# Altium PCB ldo-1.PcbDoc
Units mm, origin at the board's own origin, x right, y up, seen from the top; angles counter-clockwise.
Board outline 180 x 125 mm, 2 copper layers (Top Layer, Bottom Layer), stack 1.87 mm thick; 191 components, 89 nets, 453 pads, 0 vias.
Unrouted connection lines stored in the file: 362.
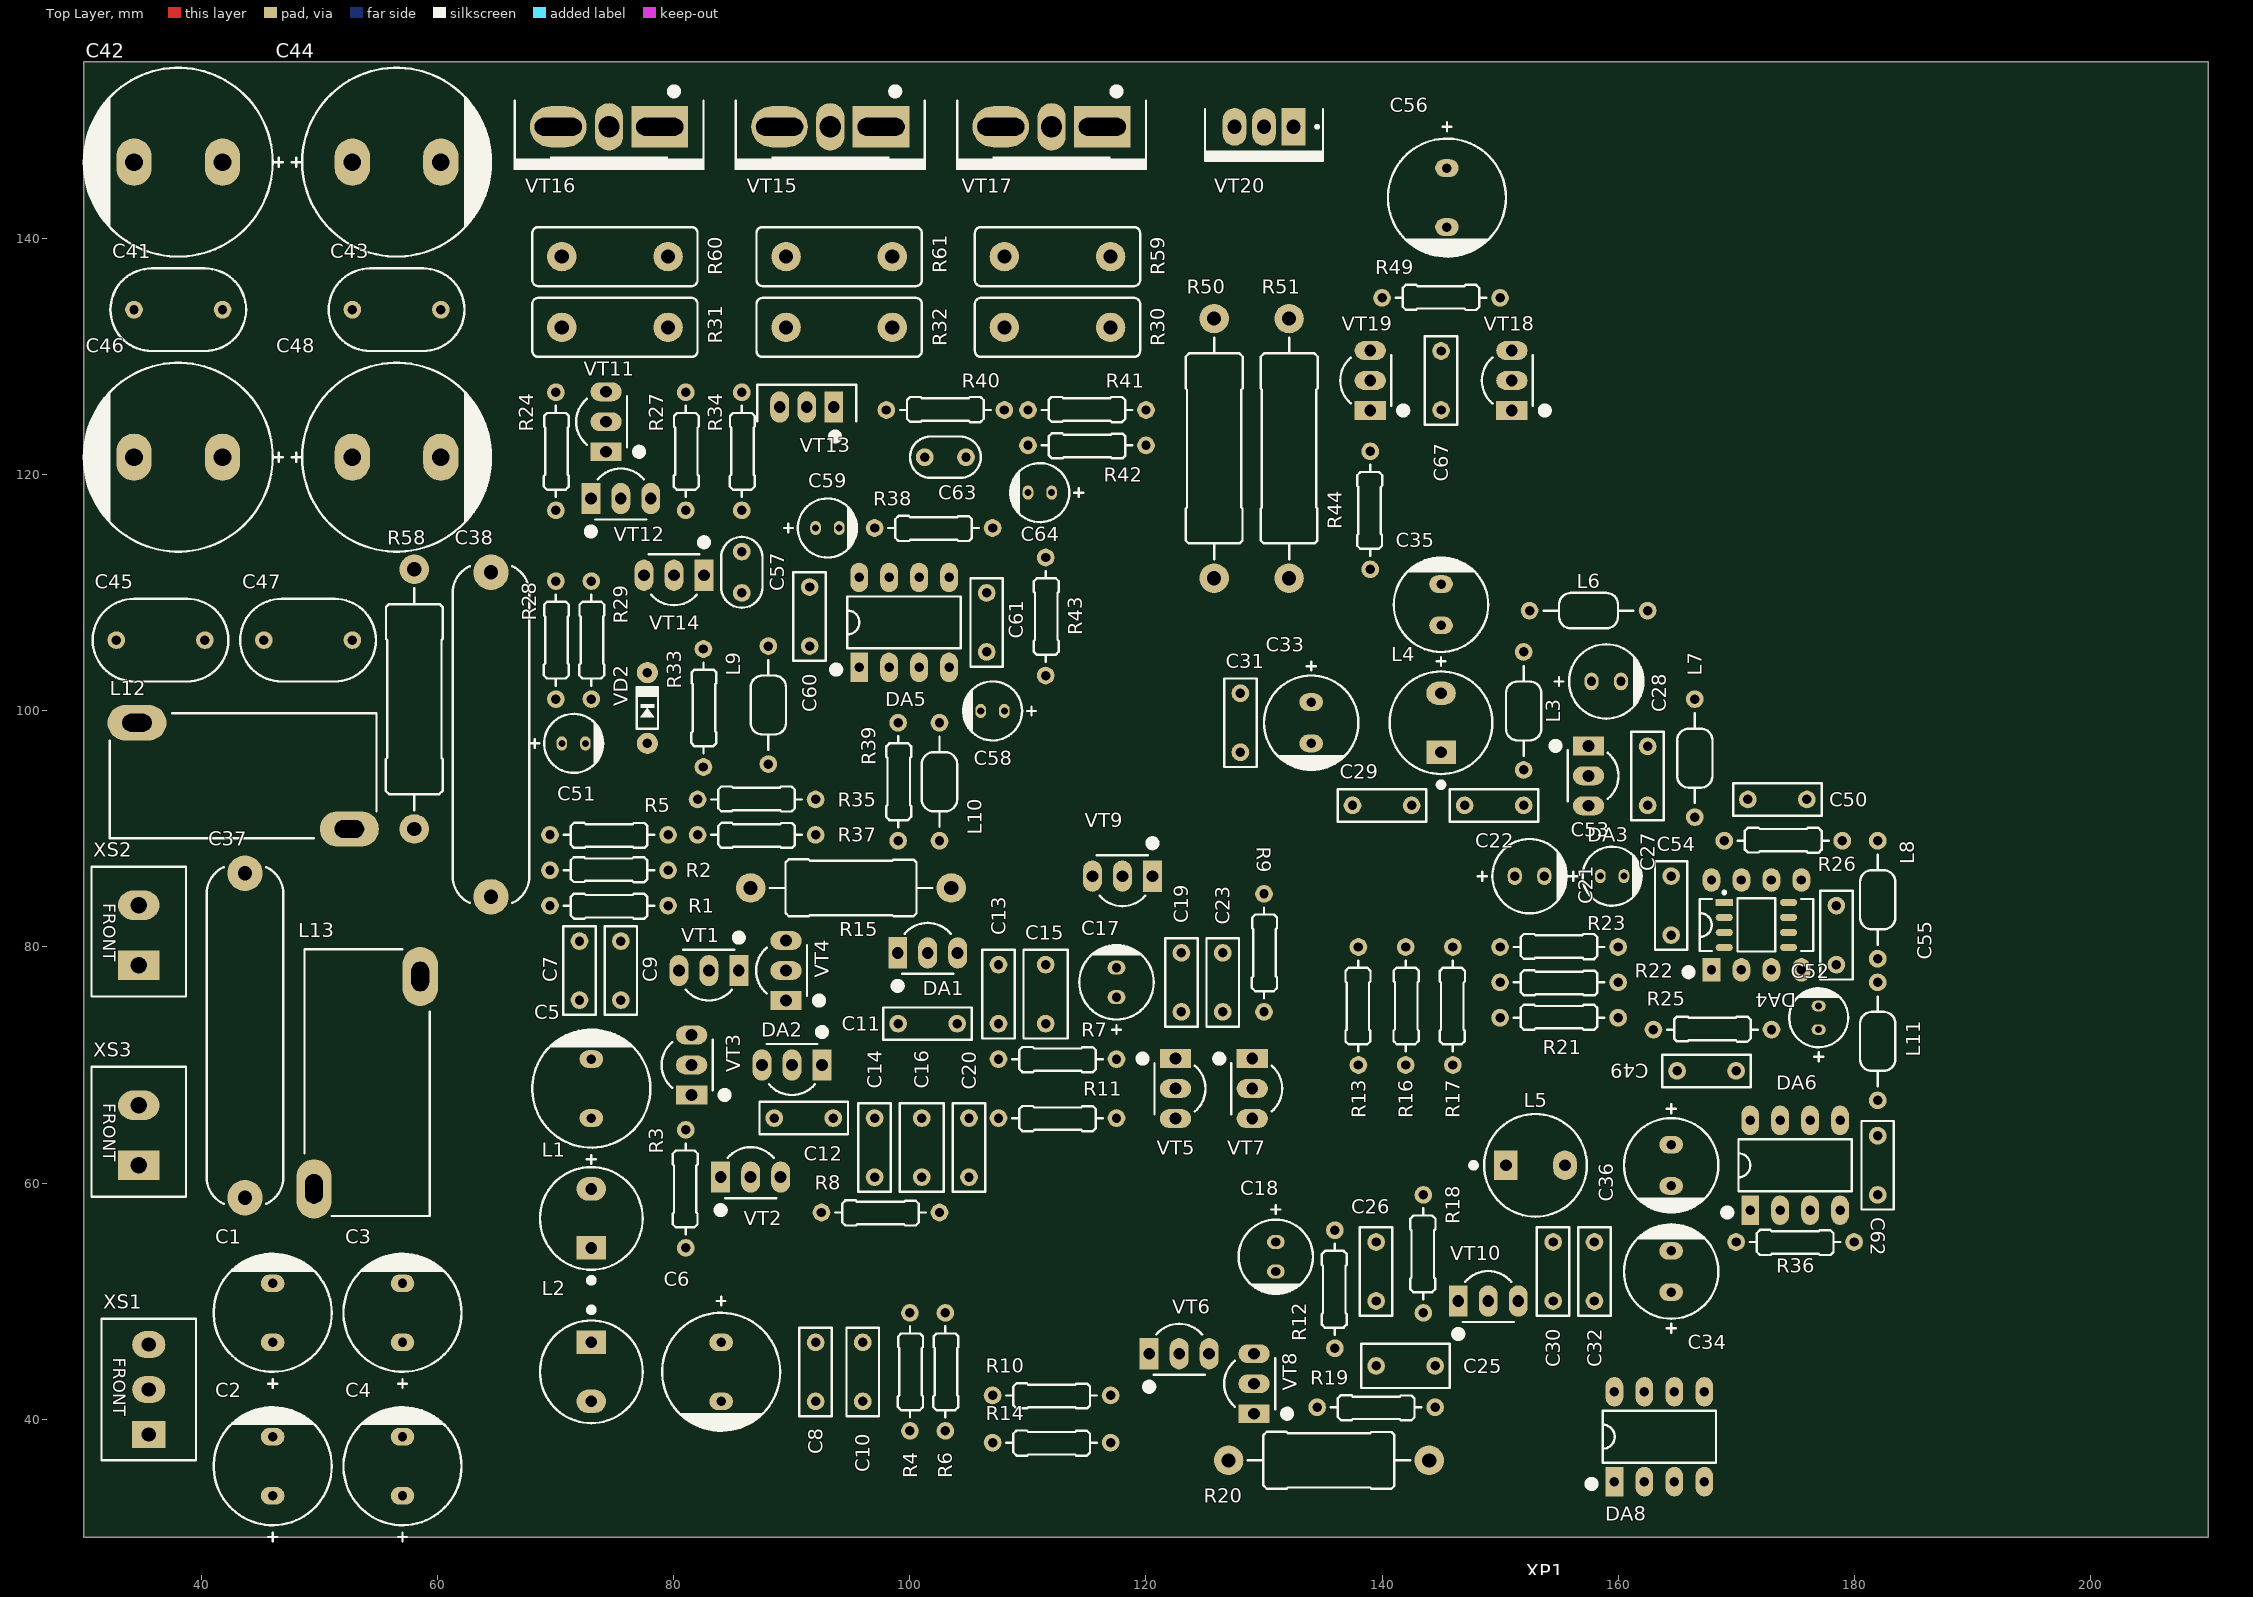
[diagram p0: Top Layer view]
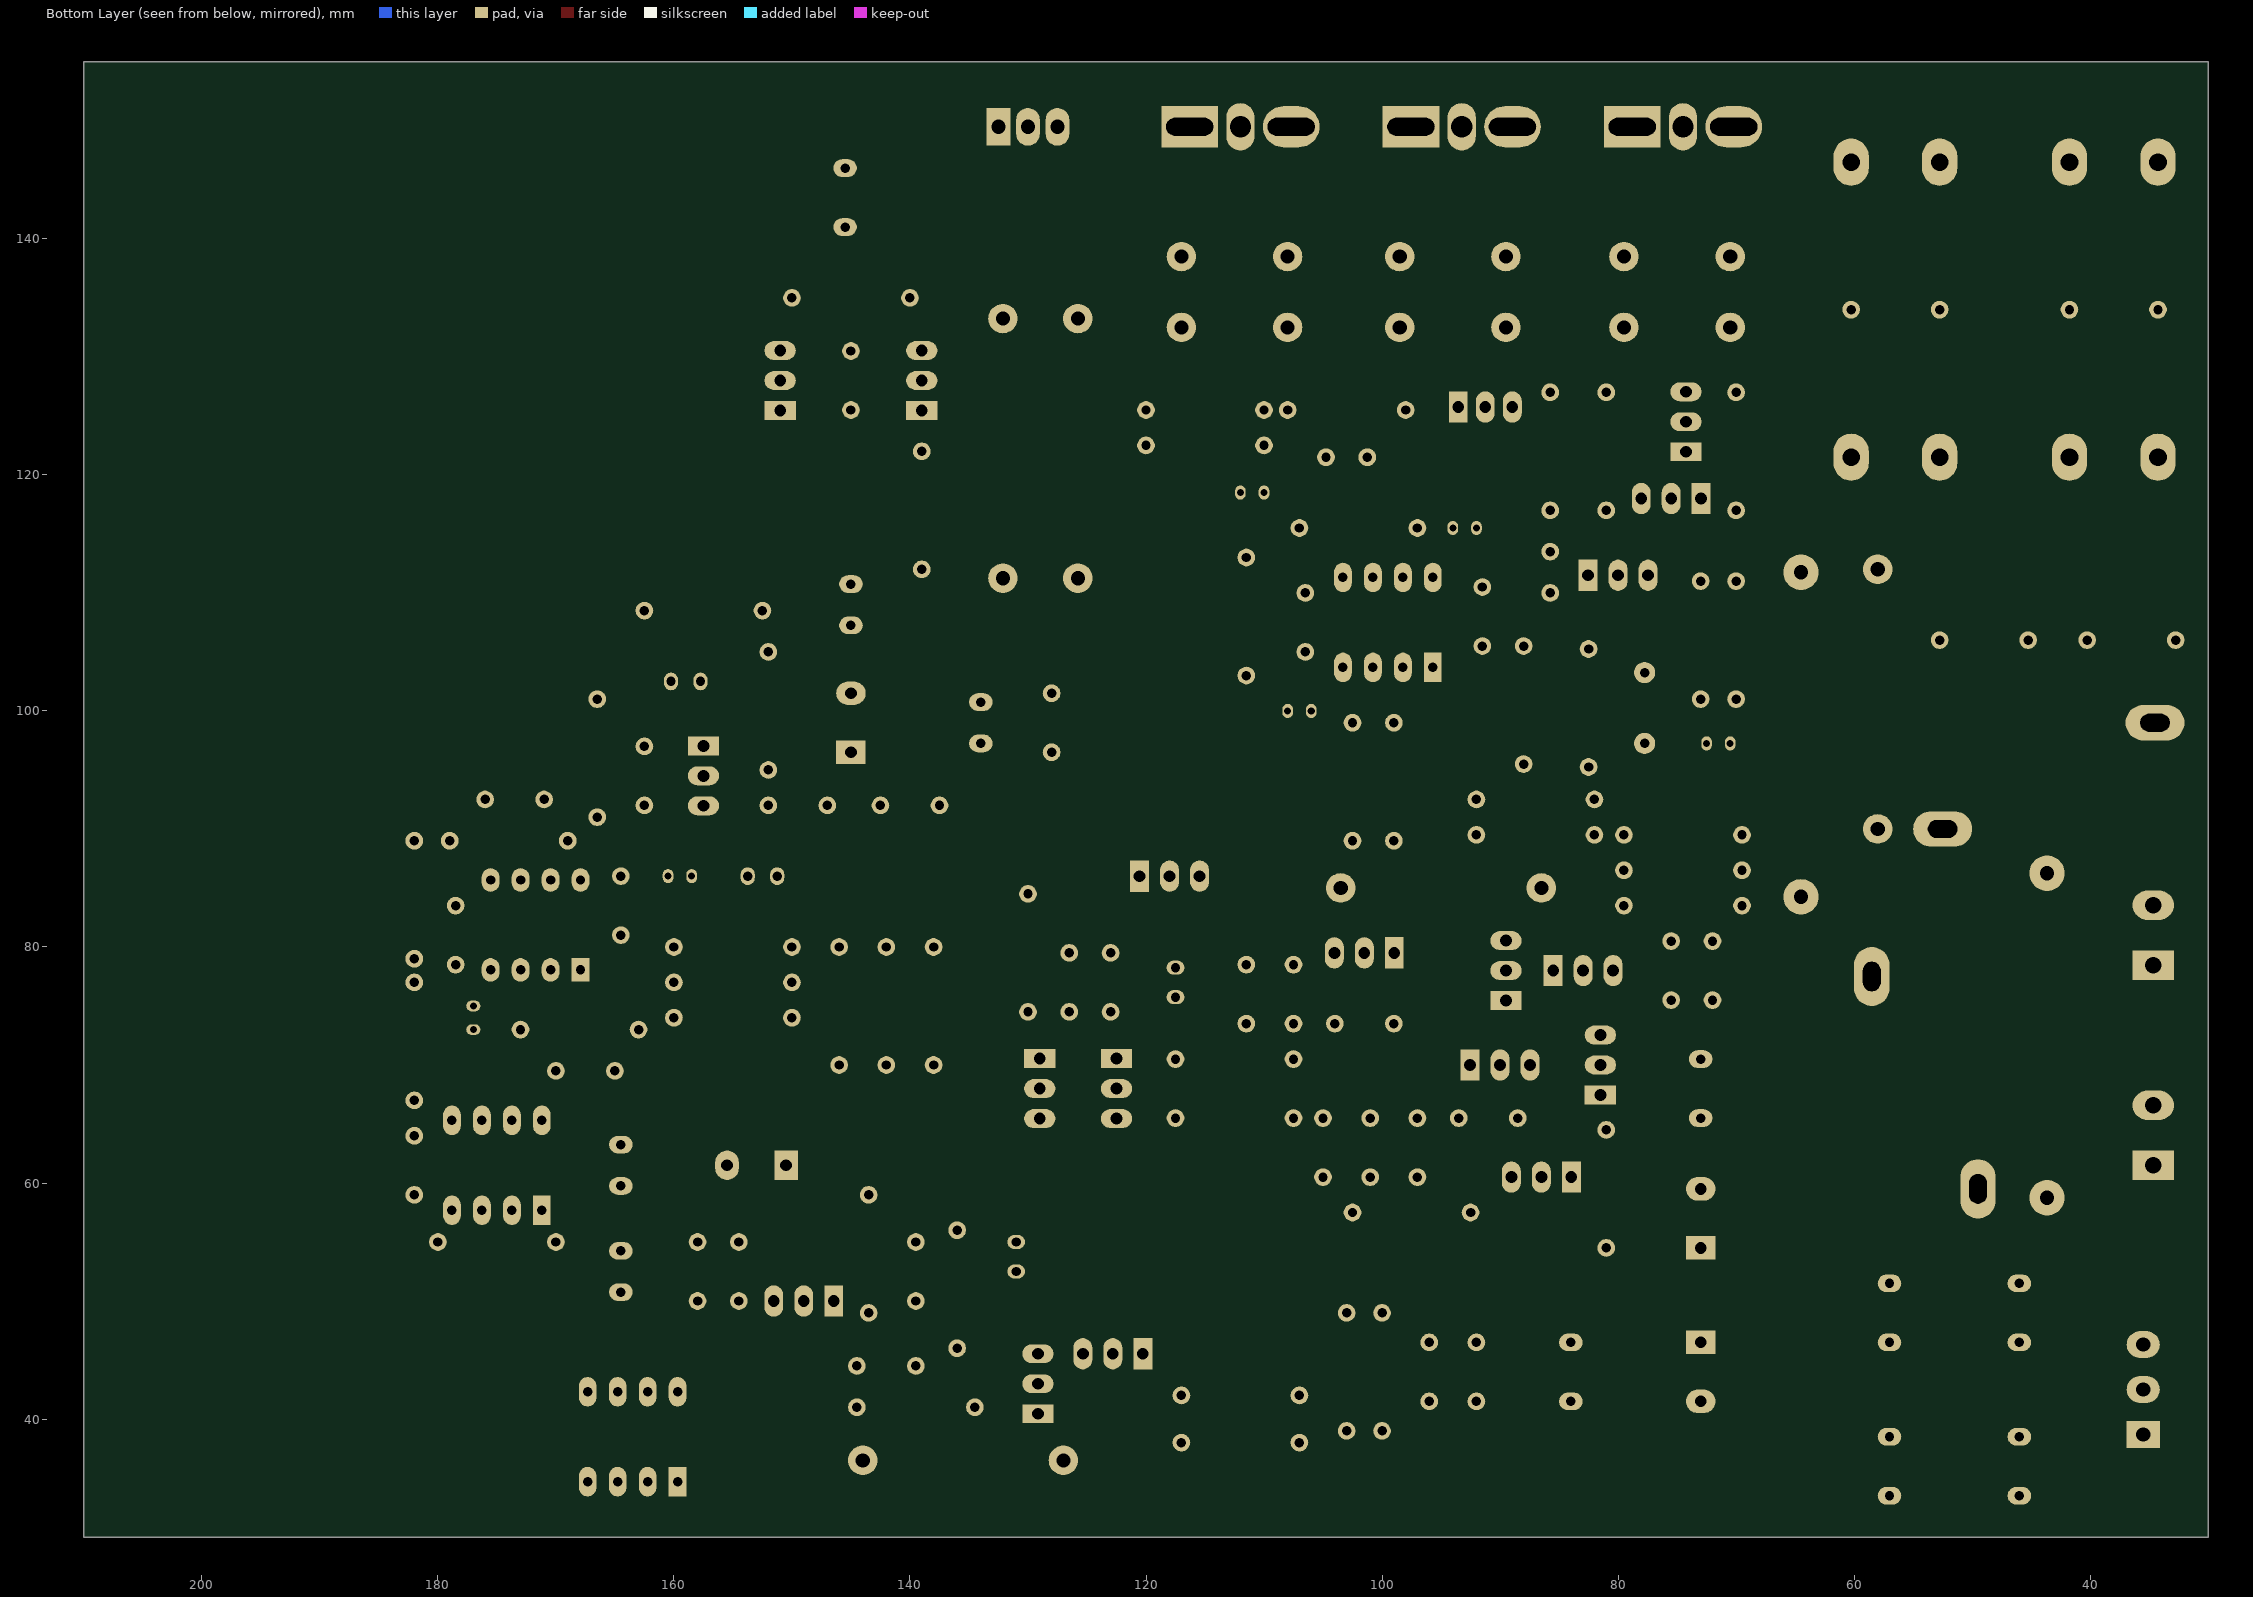
[diagram p1: Bottom Layer view, seen from below]

## Layer stack, top to bottom
Top Solder: solder mask 0.0102, Solder Resist, Dk 3.5
Top Layer: signal copper 0.035
Dielectric 1: dielectric 1.8, FR-4, Dk 4.8
Bottom Layer: signal copper 0.035
Bottom Solder: solder mask 0.0102, Solder Resist, Dk 3.5

## Board outline
30,30 30,155 210,155 210,30

## Design rules (kind name [scope] priority, off if disabled: settings)
Clearance [All] p1: gap=0.254 ignorepadtopadclearanceinfootprint=FALSE except(0: Arc-Hole Track-Hole SMDPad-Hole THPad-Hole Via-Hole Fill-Hole Poly-Hole Region-Hole Text-Hole)
PolygonConnect [All] p1: connectstyle=Relief reliefconductorwidth=0.254 reliefentries=4 polygonreliefangle="90 Angle" airgapwidth=0.254
RoutingVias [All] p1: holewidth=0.711 width=1.27 viastyle="Through Hole" minholewidth=0.711 minwidth=1.27 maxholewidth=0.711 maxwidth=1.27
SolderMaskExpansion [All] p1: expansion=0.102 istentingtop=FALSE
Width [All] p1: maxlimit=0.254 minlimit=0.254 preferedwidth=0.254
30 further rules are at their usual default settings.

## Classes and differential pairs
net class I2S[0..2]: I2S0 I2S1 I2S2
component class p2_regulator: C37 C38 C39 C40 C41 C42 C43 C44 C45 C46 C47 C48 C49 C50 C51 C52 C53 C54 C55 C56 C57 C58 C59 C60 C61 C62 C63 C64 C65 C66 C67 C68 C69 C70 C71 C72 C73 C74 C75 C84 DA4 DA5 DA6 DA7 DA8 L7 L8 L9 L10 L11 L12 L13 L14 L15 R21 R22 R23 R24 R25 R26 R27 R28 R29 R30 R31 R32 R33 R34 R35 R36 R37 R38 R39 R40 R41 R42 R43 R44 R45 R46 R47 R48 R49 R50 R51 R52 R53 R54 R55 R56 R57 R58 R59 R60 R61 R62 VD1 VD2 VD3 VT11 VT12 VT13 VT14 VT15 VT16 VT17 VT18 VT19 VT20 VT21 XP1 XS2 XS3 XS4 XS5
component class p1_power_supply_10v: C1 C2 C3 C4 C5 C6 C7 C8 C9 C10 C11 C12 C13 C14 C15 C16 C17 C18 C19 C20 C21 C22 C23 C24 C25 C26 C27 C28 C29 C30 C31 C32 C33 C34 C35 C36 DA1 DA2 DA3 L1 L2 L3 L4 L5 L6 R1 R2 R3 R4 R5 R6 R7 R8 R9 R10 R11 R12 R13 R14 R15 R16 R17 R18 R19 R20 VT1 VT2 VT3 VT4 VT5 VT6 VT7 VT8 VT9 VT10 XS1

## Components (designator, comment, footprint, x,y, rotation, side; value= is the part's Value field where it differs from the comment)
C1 "1000u" ECAP10X21X5_BRW 46,49 r180 top
C2 "1000u" ECAP10X21X5_BRW 46,36 r180 top
C3 "1000u" ECAP10X21X5_BRW 57,49 r180 top
C4 "1000u" ECAP10X21X5_BRW 57,36 r180 top
C5 "470u" ECAP10X17X5_BRW 73,68 r180 top
C6 "470u" ECAP10X17X5_BRW 84,44 r0 top
C7 "0.1u" CL23B_7.2x2.5 72,78 r90 top
C8 "0.1u" CL23B_7.2x2.5 92,44 r270 top
C9 "1000p" CL23B_7.2x2.5 75.5,78 r90 top
C10 "1000p" CL23B_7.2x2.5 96,44 r270 top
C11 "1000p" CL23B_7.2x2.5 101.5,73.5 r180 top
C12 "1000p" CL23B_7.2x2.5 91,65.5 r0 top
C13 "0.1u" CL23B_7.2x2.5 107.5,76 r90 top
C14 "0.1u" CL23B_7.2x2.5 97,63 r90 top
C15 "0.47u" CL23B_7.2x3.5 111.5,76 r90 top
C16 "0.47u" CL23B_7.2x3.5 101,63 r90 top
C17 "220u" ECAP6.3X11X2.5_BRW 117.5,77 r180 top
C18 "220u" ECAP6.3X11X2.5_BRW 131,53.75 r0 top
C19 "0.1u" CL23B_7.2x2.5 123,77 r90 top
C20 "0.1u" CL23B_7.2x2.5 105,63 r90 top
C21 "220u" ECAP6.3X11X2.5_BRW 152.5,86 r90 top
C22 "0.1u" CL23B_7.2x2.5 149.5,92 r180 top
C23 "0.1u" CL23B_7.2x2.5 126.5,77 r90 top
C24 "0.47u" CL23B_7.2x3.5 501.396,38.926 r90 top
C25 "0.47u" CL23B_7.2x3.5 142,44.5 r180 top
C26 "0.1u" CL23B_7.2x2.5 139.5,52.5 r90 top
C27 "0.1u" CL23B_7.2x2.5 162.5,94.5 r270 top
C28 "220u" ECAP6.3X11X2.5_BRW 159,102.5 r90 top
C29 "1000p" CL23B_7.2x2.5 140,92 r180 top
C30 "1000p" CL23B_7.2x2.5 154.5,52.5 r90 top
C31 "0.1u" CL23B_7.2x2.5 128,99 r270 top
C32 "0.1u" CL23B_7.2x2.5 158,52.5 r90 top
C33 "1000u" ECAP8X20X3.5_BRW 134,99 r0 top
C34 "1000u" ECAP8X20X3.5_BRW 164.5,52.5 r180 top
C35 "1000u" ECAP8X20X3.5_BRW 145,109 r180 top
C36 "1000u" ECAP8X20X3.5_BRW 164.5,61.5 r0 top
C37 "1u" CL21_29x13.5x6.5_P27.5 43.653,72.5 r90 top
C38 "1u" CL21_29x13.5x6.5_P27.5 64.5,98 r270 top
C39 "1u" CL21_29x13.5x6.5_P27.5 219.5,65.5 r270 top
C40 "1u" CL21_29x13.5x6.5_P27.5 253.5,65.5 r270 top
C41 "0.1u" CL11_11.5x7_P7.5 38,134 r180 top
C42 "3300u" ECAP16X36X75_BLK 38,146.5 r270 top
C43 "0.1u" CL11_11.5x7_P7.5 56.5,134 r0 top
C44 "3300u" ECAP16X36X75_BLK 56.5,146.5 r90 top
C45 "0.1u" CL11_11.5x7_P7.5 36.5,106 r180 top
C46 "3300u" ECAP16X36X75_BLK 38,121.5 r270 top
C47 "0.1u" CL11_11.5x7_P7.5 49,106 r0 top
C48 "3300u" ECAP16X36X75_BLK 56.5,121.5 r90 top
C49 "0.033u" CL23B_7.2x2.5 167.5,69.5 r180 top
C50 "0.033u" CL23B_7.2x2.5 173.5,92.5 r180 top
C51 "22u" ECAP5X11X2.0_BRW 71.5,97.25 r90 top
C52 "22u" ECAP5X11X2.0_BRW 177,74 r180 top
C53 "22u" ECAP5X11X2.0_BRW 159.5,86 r90 top
C54 "0.1u" CL23B_7.2x2.5 164.5,83.5 r270 top
C55 "0.1u" CL23B_7.2x2.5 178.5,81 r90 top
C56 "100u" ECAP10X13X5_BRW 145.5,143.5 r0 top
C57 "1000p" CL11_6x3.5_P3.5 85.75,111.75 r90 top
C58 "22u" ECAP5X11X2.0_BRW 107,100 r270 top
C59 "22u" ECAP5X11X2.0_BRW 93,115.5 r90 top
C60 "0.1u" CL23B_7.2x2.5 91.5,108 r270 top
C61 "0.1u" CL23B_7.2x2.5 106.5,107.5 r90 top
C62 "0.1u" CL23B_7.2x2.5 182,61.5 r270 top
C63 "1000p" CL11_6x3.5_P3.5 103,121.5 r180 top
C64 "22u" ECAP5X11X2.0_BRW 111,118.5 r270 top
C65 "0.1u" CL23B_7.2x2.5 443.321,105.255 r90 top
C66 "0.1u" CL23B_7.2x2.5 347.436,105.255 r90 top
C67 "0.1u" CL23B_7.2x2.5 145,128 r270 top
C68 "0.1u" CL11_11.5x7_P7.5 258.5,163.5 r90 top
C69 "3300u" ECAP16X36X75_BLK 245.5,146 r0 top
C70 "0.1u" CL11_11.5x7_P7.5 258.5,146 r270 top
C71 "3300u" ECAP16X36X75_BLK 245.5,164 r180 top
C72 "0.1u" CL11_11.5x7_P7.5 258,131.5 r180 top
C73 "3300u" ECAP16X36X75_BLK 272.5,164 r90 top
C74 "0.1u" CL11_11.5x7_P7.5 270.5,131.5 r0 top
C75 "3300u" ECAP16X36X75_BLK 272.5,146.5 r90 top
C84 "0.1u" CL23B_7.2x2.5 370.042,105.255 r90 top
DA1 "TL431ACLP" "TO-92 (VERTICAL,LINE)" 101.5,79.5 r90 top
DA2 "TL431ACLP" "TO-92 (VERTICAL,LINE)" 90,70 r270 top
DA3 "LM78L05ACZ" "TO-92 (VERTICAL,LINE)" 157.5,94.5 r0 top
DA4 "NE5532P" DIP-8P-M01_with_SO8 171.725,81.865 r90 top
DA5 "NE5532P" DIP-8P-M01 99.5,107.5 r90 top
DA6 "TDA1543" DIP-8P-M01 175,61.5 r90 top
DA7 "HCPL2630M" DIP-8P-M01 398.49,102.715 r0 top
DA8 "HCPL2630M" DIP-8P-M01 163.5,38.5 r90 top
L1 "RLB0914-471KL" RLB0914 73,57 r0 top
L2 "RLB0914-471KL" RLB0914 73,44 r180 top
L3 "EC24-180K" EC24_GREEN 152,100 r270 top
L4 "RLB0914-471KL" RLB0914 145,99 r0 top
L5 "RLB0914-471KL" RLB0914 153,61.5 r270 top
L6 "EC24-180K" EC24_GREEN 157.5,108.5 r0 top
L7 "EC24-180K" EC24_GREEN 166.5,96 r90 top
L8 "EC24-180K" EC24_GREEN 182,84 r90 top
L9 "EC24-180K" EC24_GREEN 88,100.5 r270 top
L10 "EC24-180K" EC24_GREEN 102.5,94 r270 top
L11 "EC24-180K" EC24_GREEN 182,72 r90 top
L12 "2.7 uH" CORE_D20_GB 43.5,94.5 r0 top
L13 "2.7 uH" CORE_D20_GB 54,68.5 r90 top
L14 "2.7 uH" CORE_D20_GB 236.5,56.5 r0 top
L15 "2.7 uH" CORE_D20_GB 236.5,75 r0 top
R1 "470" CFR-25 74.5,83.5 r180 top
R2 "470" CFR-25 74.5,86.5 r0 top
R3 "470" CFR-25 81,59.5 r90 top
R4 "470" CFR-25 100,44 r270 top
R5 "470" CFR-25 74.5,89.5 r180 top
R6 "470" CFR-25 103,44 r270 top
R7 "1k" CFR-25 112.5,70.5 r180 top
R8 "1k" CFR-25 97.5,57.5 r180 top
R9 "51" CFR-25 130,79.5 r270 top
R10 "51" CFR-25 112,42 r180 top
R11 "43" CFR-25 112.5,65.5 r180 top
R12 "43" CFR-25 136,51 r90 top
R13 "51" CFR-25 138,75 r90 top
R14 "51" CFR-25 112,38 r180 top
R15 "1" CFR-100 95,85 r180 top
R16 "3k" CFR-25 142,75 r270 top
R17 "1k" CFR-25 146,75 r90 top
R18 "1k" CFR-25 143.5,54 r90 top
R19 "3k" CFR-25 139.5,41 r180 top
R20 "1" CFR-100 135.5,36.5 r180 top
R21 "1k" CFR-25 155,74 r0 top
R22 "1.5k" CFR-25 155,77 r180 top
R23 "7.5k" CFR-25 155,80 r0 top
R24 "20k" CFR-25 70,122 r270 top
R25 "1.2k" CFR-25 168,73 r0 top
R26 "1.2k" CFR-25 174,89 r0 top
R27 "680" CFR-25 81,122 r270 top
R28 "10" CFR-25 70,106 r270 top
R29 "1k" CFR-25 73,106 r270 top
R30 "0.47" BPR58 112.5,132.5 r0 top
R31 "0.47" BPR58 75,132.5 r0 top
R32 "0.47" BPR58 94,132.5 r0 top
R33 "510" CFR-25 82.5,100.25 r270 top
R34 "270" CFR-25 85.75,122 r270 top
R35 "1k" CFR-25 87,92.5 r0 top
R36 "1k" CFR-25 175,55 r180 top
R37 "1k" CFR-25 87,89.5 r180 top
R38 "2.2k" CFR-25 102,115.5 r180 top
R39 "2.2k" CFR-25 99,94 r270 top
R40 "750" CFR-25 103,125.5 r0 top
R41 "7.5k" CFR-25 115,125.5 r0 top
R42 "750" CFR-25 115,122.5 r180 top
R43 "1k" CFR-25 111.5,108 r270 top
R44 "1k" CFR-25 139,117 r90 top
R45 "1k" CFR-25 412.206,103.35 r90 top
R46 "1k" CFR-25 323.56,103.35 r90 top
R47 "1k" CFR-25 418.048,103.35 r90 top
R48 "1k" CFR-25 329.402,103.35 r90 top
R49 "15" CFR-25 145,135 r0 top
R50 "10" CFR-200 125.773,122.246 r90 top
R51 "10" CFR-200 132.123,122.246 r90 top
R52 "510" CFR-25 431.891,103.35 r90 top
R53 "510" CFR-25 388.584,103.35 r90 top
R54 "510" CFR-25 299.811,103.35 r90 top
R55 "510" CFR-25 293.969,103.35 r90 top
R56 "10k" CFR-25 437.225,103.35 r90 top
R57 "1k" CFR-25 406.364,103.35 r90 top
R58 "2.2k" CFR-200 58,101 r270 top
R59 "0.47" BPR58 112.5,138.5 r0 top
R60 "0.47" BPR58 75,138.5 r0 top
R61 "0.47" BPR58 94,138.5 r0 top
R62 "2.2k" CFR-200 261.5,65.5 r270 top
VD1 "1N5408G" DO-201AD 338.5,64.5 r90 top
VD2 "1N4148" "DO-35 GLASS LIGHT RED" 77.75,100.25 r270 top
VD3 "1N5408G" DO-201AD 332,64.5 r90 top
VT1 "2SA733" "TO-92 (VERTICAL,LINE)" 82.96,78 r270 top
VT2 "2SC945" "TO-92 (VERTICAL,LINE)" 86.5,60.5 r90 top
VT3 "2SC945" "TO-92 (VERTICAL,LINE)" 81.5,70 r180 top
VT4 "2SA733" "TO-92 (VERTICAL,LINE)" 89.5,78 r180 top
VT5 "2SC945" "TO-92 (VERTICAL,LINE)" 122.5,68 r0 top
VT6 "2SA733" "TO-92 (VERTICAL,LINE)" 122.81,45.53 r90 top
VT7 "2SC945" "TO-92 (VERTICAL,LINE)" 129,68 r0 top
VT8 "2SA733" "TO-92 (VERTICAL,LINE)" 129.16,42.99 r180 top
VT9 "2SA684" "TO-92L (VERTICAL,LINE)" 118,86 r270 top
VT10 "2SD667" "TO-92L (VERTICAL,LINE)" 149,50 r90 top
VT11 "2SA733" "TO-92 (VERTICAL,LINE)" 74.25,124.5 r180 top
VT12 "2SA733" "TO-92 (VERTICAL,LINE)" 75.5,118 r90 top
VT13 "BD139" "TO-126 (VERTICAL)" 91.25,125.75 r90 top
VT14 "2SC945" "TO-92 (VERTICAL,LINE)" 80,111.5 r270 top
VT15 "MJE13009" "TO-220_with_TO-247 (VERTICAL)SLOT" 93.25,149.5 r270 top
VT16 "MJE13009" "TO-220_with_TO-247 (VERTICAL)SLOT" 74.5,149.5 r270 top
VT17 "MJE13009" "TO-220_with_TO-247 (VERTICAL)SLOT" 112,149.5 r270 top
VT18 "2SC945" "TO-92 (VERTICAL,LINE)" 151,128 r180 top
VT19 "2SA733" "TO-92 (VERTICAL,LINE)" 139,128 r180 top
VT20 "2SK2499" TO-220AB-3 130,149.5 r270 top
VT21 "2SC945" "TO-92 (VERTICAL,LINE)" 426.684,105.636 r0 top
XP1 "DS1013-10S" BH-10 162.54,19.27 r90 top
XS1 "DG340-3.81-03P-12" DG340-3.81-03P 35.5,42.5 r270 top
XS2 "DG500-5.08-02P-14" DG500-5.08-02P 34.653,81 r270 top
XS3 "DG500-5.08-02P-14" DG500-5.08-02P 34.653,64.04 r270 top
XS4 "DG500-5.08-02P-14" DG500-5.08-02P 270,57.04 r90 top
XS5 "DG500-5.08-02P-14" DG500-5.08-02P 270,75.5 r90 top

## Footprints (in the part's own frame and the unit in brackets; to place one, negate y for a bottom-side part, rotate by r counter-clockwise, add the part's x,y. Pads: shape width x height; smd on the part's side, far side on the other; paste and mask are expansions set on the pad)
BH-10 [mm] "DS1013-10S CONNFLY"
  rect 1.9x1.5 hole 0.95: 1(1.27,-5.08)
  oval 1.9x1.5 hole 0.95: 2(-1.27,-5.08) 3(1.27,-2.54) 4(-1.27,-2.54) 5(1.27,0) 6(-1.27,0) 7(1.27,2.54) 8(-1.27,2.54) 9(1.27,5.08) 10(-1.27,5.08)
  silkscreen extent -5,-10.38 6.5,10.52, body extent -4.7,-10.13 4.4,10.17, height 9.3
BPR58 [mm] "Metal plate resistor 5W"
  round 2.5 hole 1.2 mask+0.075: 1(-4.5,0) 2(4.5,0)
  silkscreen extent -7,-2.5 7,2.5, body extent -7,-2.5 7,2.5, height 18.05
CFR-25 [mm] "Carbon Film Resistors 1/4W"
  round 1.5 hole 0.8 mask+0.075: 1(-5,0) 2(5,0)
  silkscreen extent -3.85,-1.02 3.85,1.1, body extent -5.23,-1.15 5.22,1.25, height 3.7
CFR-100 [mm] "Carbon Film Resistors 1W"
  round 2.5 hole 1.2 mask+0.075: 1(-8.5,0) 2(8.5,0)
  silkscreen extent -6.9,-2.42 6.9,2.4, body extent -8.9,-2.41 8.9,2.41, height 5.42
CFR-200 [mm] "Carbon Film Resistors 2W"
  round 2.5 hole 1.2 mask+0.075: 1(-11,0) 2(11,0)
  silkscreen extent -9.4,-2.42 9.4,2.4, body extent -11.4,-2.55 11.4,2.55, height 6.79
CL11_6x3.5_P3.5 [mm] "Cap 6x11.5x3.5mm, pitch = 3.5mm"
  round 1.5 hole 0.8 mask+0.075: 1(-1.75,0) 2(1.75,0)
  silkscreen extent -3,-1.75 3,1.75, body extent -3,-1.75 3,1.75, height 14
CL11_11.5x7_P7.5 [mm] "Cap 11.5x13.5x7mm, pitch = 7.5mm"
  round 1.5 hole 0.8 mask+0.075: 1(-3.75,0) 2(3.75,0)
  silkscreen extent -5.75,-3.5 5.75,3.5, body extent -5.75,-3.5 5.75,3.5, height 16
CL21_29x13.5x6.5_P27.5 [mm] "Cap 29x13.5x6.5mm, pitch = 27.5mm"
  round 3 hole 1.2 mask+0.075: 1(-13.75,0) 2(13.75,0)
  silkscreen extent -14.27,-3.25 14.27,3.25, body extent -14.5,-3.25 14.5,3.25, height 22.75
CL23B_7.2x2.5 [mm] "Box-type 7.2x2.5x6.5mm"
  round 1.5 hole 0.8 mask+0.075: 1(-2.5,0) 2(2.5,0)
  silkscreen extent -3.75,-1.38 3.75,1.38, body extent -3.6,-1.25 3.6,1.25, height 6.55
CL23B_7.2x3.5 [mm] "Box-type 7.2x3.5x7.5mm"
  round 1.5 hole 0.8 mask+0.075: 1(-2.5,0) 2(2.5,0)
  silkscreen extent -3.75,-1.88 3.75,1.88, body extent -3.6,-1.75 3.6,1.75, height 7.55
CORE_D20_GB [mm] "Core D20.3/12.7/6.35mm, Green-Blue"
  oval 5x3 hole 2.5 slot 1.5 at 90 deg mask+0.075: 1(-9,4.5) 2(9,-4.5)
  silkscreen extent -11.3,-5.3 11.3,5.3, body extent -11.12,-5.01 11.12,5, height 24.18
DG340-3.81-03P [mm]
  rect 2.3x2.8 hole 1.2: 1(3.81,0)
  oval 2.3x2.8 hole 1.2: 2(0,0) 3(-3.81,0)
  silkscreen extent -6,-4 6,4, body extent -5.92,-3.75 5.71,3.75, height 8.5
DG500-5.08-02P [mm]
  rect 2.5x3.5 hole 1.4: 1(2.54,0)
  oval 2.5x3.5 hole 1.4: 2(-2.54,0)
  silkscreen extent -5.8,-4 5.2,4, body extent -5.6,-3.8 5,3.8, height 10
DIP-8P-M01 [mm] "Plastic DIP, 8 pin, lead pitch 2.54mm (0.1\"), row spacing 7.62mm (0.3\")."
  rect 2.5x1.5 hole 0.8 mask+0.075: 1(-3.81,3.81)
  oval 2.5x1.5 hole 0.8 mask+0.075: 2(-3.81,1.27) 3(-3.81,-1.27) 4(-3.81,-3.81) 5(3.81,-3.81) 6(3.81,-1.27) 7(3.81,1.27) 8(3.81,3.81)
  silkscreen extent -4.3,-4.8 2.2,6.05, body extent -3.94,-4.7 3.93,4.7, height 4.36
DIP-8P-M01_with_SO8 [mm] "Plastic DIP, 8 pin, lead pitch 2.54mm (0.1\"), row spacing 7.62mm (0.3\")."
  rect 2x1.5 hole 0.8 mask+0.075: 1(-3.81,3.81)
  rect 0.6x1.45 smd paste+0 mask+0.05: 1(1.905,2.725)
  oval 2x1.5 hole 0.8 mask+0.075: 2(-3.81,1.27) 3(-3.81,-1.27) 4(-3.81,-3.81) 5(3.81,-3.81) 6(3.81,-1.27) 7(3.81,1.27) 8(3.81,3.81)
  oval 0.6x1.45 smd paste+0 mask+0.05: 2(0.635,2.725) 3(-0.635,2.725) 4(-1.905,2.725) 5(-1.905,-2.725) 6(-0.635,-2.725) 7(0.635,-2.725) 8(1.905,-2.725)
  silkscreen extent -4.3,-4.8 2.88,6.05, body extent -3.94,-4.7 3.93,4.7, height 4.36
"DO-35 GLASS LIGHT RED" [mm]
  round 1.8 hole 0.8: 1(-3,0) 2(3,0)
  silkscreen extent -1.75,-0.9 1.75,0.95, body extent -3.24,-0.8 3.24,0.8, height 2.3
DO-201AD [mm] "Package DO-201AD/DO-27"
  round 5 hole 2: 1(10,0) 2(-10,0)
  silkscreen extent -5,-2.7 5,2.7, body extent -10.6,-2.66 10.6,2.66, height 5.46
EC24_GREEN [mm] "Inductor"
  round 1.5 hole 0.8 mask+0.075: 1(-5,0) 2(5,0)
  silkscreen extent -3.8,-1.5 3.8,1.5, body extent -5.25,-1.57 5.25,1.56, height 3.73
ECAP5X11X2.0_BRW [mm] "Aluminium Capacitor"
  oval 1.2x0.9 hole 0.6 mask+0.075: 1(0,1) 2(0,-1)
  silkscreen extent -2.5,-2.51 2.5,3.67, body extent -2.5,-2.5 2.5,2.5, height 11.05
ECAP6.3X11X2.5_BRW [mm] "Aluminium Capacitor"
  oval 1.5x1.2 hole 0.8 mask+0.075: 1(0,1.25) 2(0,-1.25)
  silkscreen extent -3.15,-3.15 3.15,4.37, body extent -3.15,-3.15 3.15,3.15, height 11.05
ECAP8X20X3.5_BRW [mm] "Aluminium Capacitor"
  oval 2x1.5 hole 0.8 mask+0.075: 1(0,1.75) 2(0,-1.75)
  silkscreen extent -4,-4 4,5.17, body extent -4,-4 4,4, height 20.05
ECAP10X13X5_BRW [mm] "Aluminium Capacitor"
  oval 2x1.5 hole 0.8 mask+0.075: 1(0,2.5) 2(0,-2.5)
  silkscreen extent -5,-5 5,6.37, body extent -5,-5 5,5, height 13.05
ECAP10X17X5_BRW [mm] "Aluminium Capacitor"
  oval 2x1.5 hole 0.8 mask+0.075: 1(0,2.5) 2(0,-2.5)
  silkscreen extent -5,-5 5,6.37, body extent -5,-5 5,5, height 17.05
ECAP10X21X5_BRW [mm] "Aluminium Capacitor"
  oval 2x1.5 hole 0.8 mask+0.075: 1(0,2.5) 2(0,-2.5)
  silkscreen extent -5,-5 5,6.37, body extent -5,-5 5,5, height 21.05
ECAP16X36X75_BLK [mm] "Aluminium Capacitor"
  oval 4x3 hole 1.5 mask+0.075: 1(0,3.75) 2(0,-3.75)
  silkscreen extent -8,-8 8,10.37, body extent -8,-8 8,8, height 36.05
RLB0914 [mm] "Inductor"
  rect 2.5x2 hole 1 mask+0.075: 1(0,-2.5)
  oval 2.5x2 hole 1 mask+0.075: 2(0,2.5)
  silkscreen extent -4.35,-5.45 4.35,4.35, body extent -4.35,-4.35 4.35,4.35, height 12.05
"TO-92 (VERTICAL,LINE)" [mm]
  rect 2.65x1.6 hole 1: 1(0,2.54)
  oval 2.65x1.6 hole 1: 2(0,0) 3(0,-2.54)
  silkscreen extent -3.09,-2.16 2.54,2.84, body extent -1.81,-2.8 2.13,2.8, height 10.2
"TO-92L (VERTICAL,LINE)" [mm]
  rect 2.65x1.6 hole 1: 1(0,2.54)
  oval 2.65x1.6 hole 1: 2(0,0) 3(0,-2.54)
  silkscreen extent -3.09,-2.16 2.54,2.84, body extent -1.2,-2.77 2.7,2.76, height 13
"TO-126 (VERTICAL)" [mm]
  rect 2.65x1.6 hole 1: 1(0,-2.29)
  oval 2.65x1.6 hole 1: 2(0,0) 3(0,2.29)
  silkscreen extent -2.8,-4.2 1.9,4.2, body extent -1,-3.8 1.55,3.8, height 13.49
"TO-220_with_TO-247 (VERTICAL)SLOT" [mm]
  rect 3.5x4.8 hole 4 slot 1.5 at 0 deg: 1(0,4.3)
  oval 4x2.4 hole 1.8: 2(0,0)
  oval 3.5x4.8 hole 4 slot 1.5 at 0 deg: 3(0,-4.3)
  silkscreen extent -3.3,-8.1 3.65,8.1, body extent -1.55,-4.95 2.91,4.95, height 19.99
TO-220AB-3 [mm]
  rect 3.2x2 hole 1.2: 1(0,2.5)
  oval 3.2x2 hole 1.2: 2(0,0) 3(0,-2.5)
  silkscreen extent -1.5,-5 2.9,5, body extent -1.55,-4.95 2.91,4.95, height 20.05

## Part data
C1 C2 C3 C4: library part C_ECAP, "Aluminium capacitor", Manufacturer=Nichicon, Package=10x20, Part Number=UVZ1E102MPD, Tolerance="± 20 %", Voltage=25V, Value on schem=1000u
C5 C6: library part C_ECAP, "Aluminium capacitor", Manufacturer=Nichicon, Package=10x16, Part Number=UPW1E471MPD, Tolerance="± 20 %", Voltage=25V, Value on schem=470u
C7 C8 C9 C10 C11 C12 C13 C14 C15 C16 C19 C20 C22 C23 C24 C25 C26 C27 C29 C30 C31 C32 C49 C50 C54 C55 C60 C61 C62 C65 C66 C67 C84: library part CL23B, "Box-type metallized polyester film capacitor", Dielectric=Polyester, Tolerance="± * %", Voltage=63V, Package=CL23B
  C7 C8 C13 C14 C19 C20 C22 C23 C26 C27 C31 C32 C54 C55 C60 C61 C62 C65 C66 C67 C84: Value on schem=0.1u
  C9 C10 C11 C12 C29 C30: Value on schem=1000p
  C15 C16 C24 C25: Value on schem=0.47u
  C49 C50: Value on schem=0.033u
C17 C18 C21 C28: library part C_ECAP, "Aluminium capacitor", Manufacturer=Nichicon, Package=6.3x11, Part Number=EKZH160ELL221MF11D, Tolerance="± 20 %", Voltage=16V, Value on schem=220u
C33 C34 C35 C36: library part C_ECAP, "Aluminium capacitor", Manufacturer=Nichicon, Package=8x20, Part Number=UHV1C102MPD6, Tolerance="± 20 %", Voltage=16V, Value on schem=1000u
C37 C38 C39 C40: library part CL21, "CL21 Type Metallized Polyester Film Capacitor", Dielectric=Polyester, Tolerance="± * %", Voltage=250V, Package=CL21, Value on schem=1u
C41 C43 C45 C47 C68 C70 C72 C74: library part CL11, "CL11 Type Polyester Film Metal Foil Capacitor-inductive", Dielectric=Polyester, Tolerance="± * %", Voltage=100V, Package=CL11, Value on schem=0.1u
C42 C44 C46 C48 C69 C71 C73 C75: library part C_ECAP, "Aluminium capacitor", Manufacturer=Samwha, Package=16x36, Part Number=RD1H338M1635MPA, Tolerance="± 20 %", Voltage=50V, Value on schem=3300u
C51 C52 C53 C58 C59 C64: library part C_ECAP, "Aluminium capacitor", Manufacturer=Nichicon, Package=5x11, Part Number=UVR1J220MDD, Tolerance="± 20 %", Voltage=63V, Value on schem=22u
C56: library part C_ECAP, "Aluminium capacitor", Manufacturer=Nichicon, Package=10x13, Tolerance="± 20 %", Voltage=63V, Value on schem=100u
C57 C63: library part CL11, "CL11 Type Polyester Film Metal Foil Capacitor-inductive", Dielectric=Polyester, Tolerance="± 5 %", Voltage=100V, Package=CL11, Value on schem=1000p
DA1 DA2: "Precision Programmable Reference", Manufacturer="Texas Instruments", Package=TO-92, Part Number=TL431ACLP
DA3: "100-mA Fixed Output Linear Regulator", Manufacturer="Texas Instruments", Package=TO-92, Part Number=LM78L05ACZ
DA4 DA5: "DUAL LOW-NOISE OPERATIONAL AMPLIFIERS", Manufacturer="Texas Instruments", Package=DIP-8, Part Number=NE5532P
DA6: "Dual 16-bit DAC, I2S input format", Manufacturer=Philips, Package=DIP-8, Part Number=TDA1543
DA7 DA8: "Dual-Channel High-Speed 10 MBit/s Logic Gate Optocouplers", Manufacturer="ON Semiconductor", Package=DIP-8, Part Number=HCPL2630M
L1 L2 L4 L5: library part RLB0914, "Radial Inductors", Inductance @ 100 kHz="470 µH", Manufacturer="Bourns Inc.", Package=8.7x12mm, Irms  Max="0.56 A", Isat  Typ="1.0 A", Part Number=RLB0914-471KL, Q=20, RDC="1.3 Ohm", SRF Min="1.8 MHz"
L3 L6 L7 L8 L9 L10 L11: library part EC24, "Axial leaded coated inductors", Inductance @ 100 kHz="18 µH", Manufacturer="3L Electronic", Irms  Max="315 mA", Package=EC24, Part Number=EC24-180K, Q=40, RDC="1 Ohm", SRF Min="15 MHz"
L12 L13 L14 L15: library part CORE_D20, "Ferrite Core D20.3/12.7/6.35 mm", Core=D20
R1 R2 R3 R4 R5 R6: library part CF25, "Resistor 1/4W", Manufacturer=Yageo, Package=1/4, Part Number=MFP-25BRD52-470R, Temperature coefficient="±20 ppm/°C", Tolerance="± 0.1 %", Voltage=250V, Value on schem=470
R7 R8 R17 R18 R21 R29 R35 R37 R56: library part CF25, "Resistor 1/4W", Manufacturer=Yageo, Package=1/4, Part Number=MFR-25FTF52-10K, Temperature coefficient="±100 ppm/°C", Tolerance="± 1 %", Voltage=250V
  R7 R8 R17 R18 R21 R29 R35 R37: Value on schem=1k
  R56: Value on schem=10k
R9 R10 R13 R14: library part CF25, "Resistor 1/4W", Manufacturer=Yageo, Package=1/4, Part Number=MFP-25BRD52-51R, Temperature coefficient="±20 ppm/°C", Tolerance="± 0.1 %", Voltage=250V, Value on schem=51
R11 R12: library part CF25, "Resistor 1/4W", Manufacturer=Yageo, Package=1/4, Part Number=MFR-25FTF52-43R, Temperature coefficient="±100 ppm/°C", Tolerance="± 1 %", Voltage=250V, Value on schem=43
R15 R20: library part CF100, "Resistor 1W", Manufacturer=Yageo, Package=1W, Part Number=KNP100FB-73-1R, Temperature coefficient="±200 ppm/°C", Tolerance="± 1 %", Voltage=250V, Value on schem=1
R16 R19: library part CF25, "Resistor 1/4W", Manufacturer=Yageo, Package=1/4, Part Number=MFR-25FTF52-3K, Temperature coefficient="±100 ppm/°C", Tolerance="± 1 %", Voltage=250V, Value on schem=3k
R22: library part CF25, "Resistor 1/4W", Manufacturer=Yageo, Package=1/4, Part Number=MFR-25FTF52-1K5, Temperature coefficient="±100 ppm/°C", Tolerance="± 1 %", Voltage=250V, Value on schem=1.5k
R23 R41: library part CF25, "Resistor 1/4W", Manufacturer=Yageo, Package=1/4, Part Number=MFR-25FTF52-7K5, Temperature coefficient="±100 ppm/°C", Tolerance="± 1 %", Voltage=250V, Value on schem=7.5k
R24: library part CF25, "Resistor 1/4W", Manufacturer=Yageo, Package=1/4, Part Number=MFR-25FTF52-20K, Temperature coefficient="±100 ppm/°C", Tolerance="± 1 %", Voltage=250V, Value on schem=20k
R25 R26: library part CF25, "Resistor 1/4W", Manufacturer=Yageo, Package=1/4, Part Number=MFR-25FTF52-1K2, Temperature coefficient="±100 ppm/°C", Tolerance="± 1 %", Voltage=250V, Value on schem=1.2k
R27: library part CF25, "Resistor 1/4W", Manufacturer=Yageo, Package=1/4, Part Number=MFR-25FTF52-680R, Temperature coefficient="±100 ppm/°C", Tolerance="± 1 %", Voltage=250V, Value on schem=680
R28: library part CF25, "Resistor 1/4W", Manufacturer=Yageo, Package=1/4, Part Number=MFR-25FTF52-10R, Temperature coefficient="±100 ppm/°C", Tolerance="± 1 %", Voltage=250V, Value on schem=10
R30 R31 R32 R59 R60 R61: library part BPR58, "Rectangular type metal plate resistors", Manufacturer="KOA Speer", Package=5W, Part Number=BPR58CR47J, Temperature coefficient="±350 /°C", Tolerance="± 5 %", Value on schem=0.47
R33 R52 R53 R54 R55: library part CF25, "Resistor 1/4W", Manufacturer=Yageo, Package=1/4, Part Number=MFR-25FTF52-510R, Temperature coefficient="±100 ppm/°C", Tolerance="± 1 %", Voltage=250V, Value on schem=510
R34: library part CF25, "Resistor 1/4W", Manufacturer=Yageo, Package=1/4, Part Number=MFR-25FTF52-270R, Temperature coefficient="±100 ppm/°C", Tolerance="± 1 %", Voltage=250V, Value on schem=270
R36: library part CF25, "Resistor 1/4W", Manufacturer=Yageo, Package=1/4, Part Number=MFP-25BRD52-1K, Temperature coefficient="±20 ppm/°C", Tolerance="± 0.1 %", Voltage=250V, Value on schem=1k
R38 R39: library part CF25, "Resistor 1/4W", Manufacturer=Yageo, Package=1/4, Part Number=MFR-25FTF52-2K2, Temperature coefficient="±100 ppm/°C", Tolerance="± 1 %", Voltage=250V, Value on schem=2.2k
R40 R42: library part CF25, "Resistor 1/4W", Manufacturer=Yageo, Package=1/4, Part Number=MFR-25FTF52-750R, Temperature coefficient="±100 ppm/°C", Tolerance="± 1 %", Voltage=250V, Value on schem=750
R43 R44 R45 R46 R47 R48 R57: library part CF25, "Resistor 1/4W", Manufacturer=Yageo, Package=1/4, Part Number=MFR-25FTF52-1K, Temperature coefficient="±100 ppm/°C", Tolerance="± 1 %", Voltage=250V, Value on schem=1k
R49: library part CF25, "Resistor 1/4W", Manufacturer=Yageo, Package=1/4, Part Number=MFR-25FTF52-15R, Temperature coefficient="±100 ppm/°C", Tolerance="± 1 %", Voltage=250V, Value on schem=15
R50 R51: library part CF200, "Resistor 2W", Manufacturer=Yageo, Package=2W, Part Number=KNP200JB-73-10R, Temperature coefficient="±300 ppm/°C", Tolerance="± 5 %", Voltage=250V, Value on schem=10
R58 R62: library part CF200, "Resistor 2W", Manufacturer=Yageo, Package=2W, Part Number=KNP200JB-73-2K2, Temperature coefficient="±300 ppm/°C", Tolerance="± 5 %", Voltage=250V, Value on schem=2.2k
VD1 VD3: "3A 1000V Standard Recovery Rectifiers Diode", Manufacturer="ON Semiconductor", Package=DO-201AD, Part Number=1N5408G
VD2: "High-speed diode", Package=DO-35, Part Number=1N4148
VT1 VT4 VT6 VT8 VT11 VT12 VT19: "General Purpose p-n-p Transistors", Manufacturer=NEC, Package=TO-92, Part Number=2SA733
VT2 VT3 VT5 VT7 VT14 VT18 VT21: "General Purpose n-p-n Transistors", Manufacturer=NEC, Package=TO-92, Part Number=2SC945
VT9: "General Purpose p-n-p Transistors -60V, -1A", Manufacturer=Secos, Package=TO-92L, Part Number=2SA684
VT10: "General Purpose n-p-n Transistors 120V, 1A", Manufacturer=Secos, Package=TO-92L, Part Number=2SD667
VT13: "General Purpose n-p-n Transistors", Manufacturer=STMicroelectronics, Package=TO-126, Part Number=BD139
VT15 VT16 VT17: "General Purpose n-p-n Transistors 400V, 12A, 100W", Manufacturer="Inchange Semiconductor", Package=TO-220A, Part Number=MJE13009
VT20: "N-Channel MOSFET, 60V, 50A", Manufacturer=NEC, Package=TO220-3, Part Number=2SK2499
XP1: library part BH-10, "10-pin 2.54 mm Box header elevator type", Manufacturer=Connfly, Part Number=DS1013-10S
XS1: "3-way screw terminal, pitch 150mils (3.81mm)", Manufacturer=DEGSON, Part Number=DG340-3.81-03P-12
XS2 XS3 XS4 XS5: "2-way screw terminal, pitch 200mils (5.08mm)", Manufacturer=DEGSON, Part Number=DG500-5.08-02P-14

## Nets (pads, with @x,y where several pads share a name; then routed paths per layer and width w, separated by ;. In a path a pad name is that pad's centre, name@x,y a point inside that pad or via, vN(x,y) a via of type N, cw(c..) or ccw(c..) an arc to the next point about the centre after c; other vN are vias at no path point)
CAP_DISCHARGE#: R57.2 XP1.8
DAC_C_CLK: DA8.1 XP1.5
DAC_C_DATA: DA8.4 XP1.7
DAC_C_WS: DA7.4 XP1.3
DAC_CLK: DA6.1 DA8.7 R48.2
DAC_DATA: DA6.3 DA8.6 R46.2
DAC_WS: DA6.2 DA7.6 R45.2
GND: C1.2 C2.1 C3.2 C4.1 C5.2 C6.1 C7.2 C8.1 C9.2 C10.1 C11.2 C12.2 C13.2 C14.2 C15.2 C16.2 C17.2 C18.1 C19.2 C20.2 C21.2 C22.2 C23.2 C26.2 C27.2 C28.2 C29.2 C30.1 C31.2 C32.1 C33.2 C34.1 C35.2 C36.1 C38.1 C39.1 C41.2 C42.2 C43.2 C44.2 C45.2 C46.2 C47.2 C48.2 C51.2 C52.1 C53.2 C54.2 C55.2 C56.2 C58.1 C59.2 C60.2 C61.2 C62.2 C65.1 C66.1 C67.2 C68.2 C69.2 C70.2 C71.2 C72.2 C73.2 C74.2 C75.2 DA1.2 DA2.1 DA2.3 DA3.2 DA6.4 DA7.5 DA8.5 L13.2 L15.1 R2.1 R3.1 R11.2 R12.2 R17.2 R18.2 R21.1 R24.2 R29.2 R36.1 R37.2 R43.2 R50.1 R51.1 R58.1 VD2.2 VD3.2 VT19.2 XS1.2
GND_ISO: C84.1 VT21.3 XP1.9 XP1.10
ISO_3V3: C84.2 R52.2 R53.1 R54.1 R55.1 R56.1 XP1.1 XP1.2
NetC1_1: C1.1 C3.1 L1.1 XS1.1
NetC2_2: C2.2 C4.2 L2.1 XS1.3
NetC5_1: C5.1 C7.1 C9.1 C23.1 L1.2 R1.2 R5.2 R9.2 R13.2 R15.2
NetC6_2: C6.2 C8.2 C10.2 C26.1 L2.2 R4.2 R6.2 R10.2 R14.2 R20.2
NetC11_1: C11.1 C13.1 C15.1 DA1.1 DA1.3 R7.2 VT4.2
NetC12_1: C12.1 C14.1 C16.1 DA2.2 R8.2 VT3.2
NetC17_1: C17.1 C19.1 R7.1 VT5.1
NetC18_2: C18.2 C20.1 R8.1 VT6.1
NetC21_1: C21.1 C22.1 DA3.3 L3.2
NetC24_1: C24.1 L4.1 R16.1 VT9.2
NetC24_2: C24.2 R16.2 R17.1 VT7.1
NetC25_1: C25.1 L5.1 R19.1 VT10.2
NetC25_2: C25.2 R18.1 R19.2 VT8.1
NetC27_1: C27.1 C28.1 DA3.1 L6.1
NetC37_1: C37.1 L13.1 XS3.1 XS3.2
NetC37_2: C37.2 L12.1 XS2.1 XS2.2
NetC38_2: C38.2 C41.1 C42.1 C43.1 C44.1 C45.1 C46.1 C47.1 C48.1 L12.2 R27.1 R58.2 VD1.1 VT11.3 VT13.2 VT15.2 VT16.2 VT17.2
NetC39_2: C39.2 C63.2 C68.1 C69.1 C70.1 C71.1 C72.1 C73.1 C74.1 C75.1 L14.1 R30.2 R31.2 R32.2 R34.1 R40.1 R59.2 R60.2 R61.2 VD1.2 VD3.1 VT20.2
NetC40_1: C40.1 L15.2 R62.1 XS5.1 XS5.2
NetC40_2: C40.2 L14.2 R62.2 XS4.1 XS4.2
NetC49_1: C49.1 DA4.2 DA6.8 R25.2
NetC50_1: C50.1 DA4.6 DA6.6 R26.2
NetC50_2: C50.2 DA4.7 R23.2 R26.1
NetC51_1: C51.1 R28.2
NetC52_2: C52.2 C55.1 DA4.4 L8.1
NetC53_1: C53.1 C54.1 DA4.8 L7.1
NetC56_1: C56.1 VT13.3 VT15.1 VT16.1 VT17.1
NetC57_1: C57.1 R33.1 VD2.1 VT14.1
NetC57_2: C57.2 R34.2
NetC58_2: C58.2 C61.1 DA5.4 L10.1
NetC59_1: C59.1 C60.1 DA5.8 L9.1
NetC62_1: C62.1 DA6.5 L11.1
NetC63_1: C63.1 C64.1 R40.2 R41.1
NetC64_2: C64.2 DA5.5 R42.2 R43.1
NetDA4_3: DA4.3 DA4.5 DA6.7 R36.2
NetDA5_1: DA5.1 R33.2 R35.1
NetDA5_2: DA5.2 R35.2 R37.1
NetDA5_3: DA5.3 R38.1 R39.1
NetDA5_7: DA5.7 R38.2
NetDA7_1: DA7.1 R52.1
NetDA7_2: DA7.2 VT21.2
NetDA7_3: DA7.3 R53.2
NetDA7_7: DA7.7 R44.1 R47.2
NetDA8_2: DA8.2 R54.2
NetDA8_3: DA8.3 R55.2
NetR1_1: R1.1 VT1.3
NetR2_2: R2.2 VT1.1 VT1.2 VT4.1
NetR3_2: R3.2 VT2.1 VT2.2 VT3.1
NetR4_1: R4.1 VT2.3
NetR5_1: R5.1 VT4.3
NetR6_1: R6.1 VT3.3
NetR9_1: R9.1 VT5.2 VT9.3
NetR10_1: R10.1 VT6.2 VT10.3
NetR11_1: R11.1 VT5.3 VT7.3
NetR12_1: R12.1 VT6.3 VT8.3
NetR13_1: R13.1 VT7.2
NetR14_1: R14.1 VT8.2
NetR15_1: R15.1 VT9.1
NetR20_1: R20.1 VT10.1
NetR22_2: R22.2 R23.1
NetR24_1: R24.1 VT11.2 VT12.1
NetR27_2: R27.2 VT11.1 VT12.3
NetR28_1: R28.1 R29.1 VT14.3
NetR30_1: R30.1 R59.1 VT17.3
NetR31_1: R31.1 R60.1 VT16.3
NetR32_1: R32.1 R61.1 VT15.3
NetR41_2: R41.2 R42.1
NetR44_2: R44.2 VT18.1 VT19.1
NetR49_1: R49.1 VT20.1
NetR49_2: R49.2 VT18.3 VT19.3
NetR50_2: R50.2 R51.2 VT20.3
NetR56_2: R56.2 R57.1 VT21.1
NetVT12_2: VT12.2 VT13.1 VT14.2
REG_COARSE: C49.2 DA4.1 DA5.6 R25.1
REG_FINE: R21.2 R22.1 R39.2
VCC_5V0P: C65.2 C66.2 DA7.8 DA8.8 L6.2 L11.2 R45.1 R46.1 R47.1 R48.1
VCC_10V0N: C30.2 C32.2 C34.2 C36.2 L5.2 L8.2 L10.2
VCC_10V0P: C29.1 C31.1 C33.1 C35.1 L3.1 L4.2 L7.2 L9.2
VCC_12V0: C67.1 VT18.2
pads on no net: XP1.4 XP1.6

## Silkscreen, mask and mechanical layers (free items; w line width, h text height)
BoardOutline:
  the board outline again, w0.2

## Text inside footprints (layer, text, board x,y; h text height)
XS1: Top Overlay "FRONT" at 32.123,45.198 h1.8 r270
XS2: Top Overlay "FRONT" at 31.276,83.698 h1.8 r270
XS3: Top Overlay "FRONT" at 31.276,66.738 h1.8 r270
XS4: Top Overlay "FRONT" at 273.377,54.342 h1.8 r90
XS5: Top Overlay "FRONT" at 273.377,72.802 h1.8 r90